# Altium PCB RX.PcbDoc (part 1 of 2)
Units mm, origin at the board's own origin, x right, y up, seen from the top; angles counter-clockwise.
Board outline 78 x 44 mm, 4 copper layers (Top Layer, Top Inner Layer, Bottom Inner Layer, Bottom Layer), stack 1.569 mm thick; 93 components, 82 nets, 366 pads, 183 vias.
Unrouted connection lines stored in the file: 59.
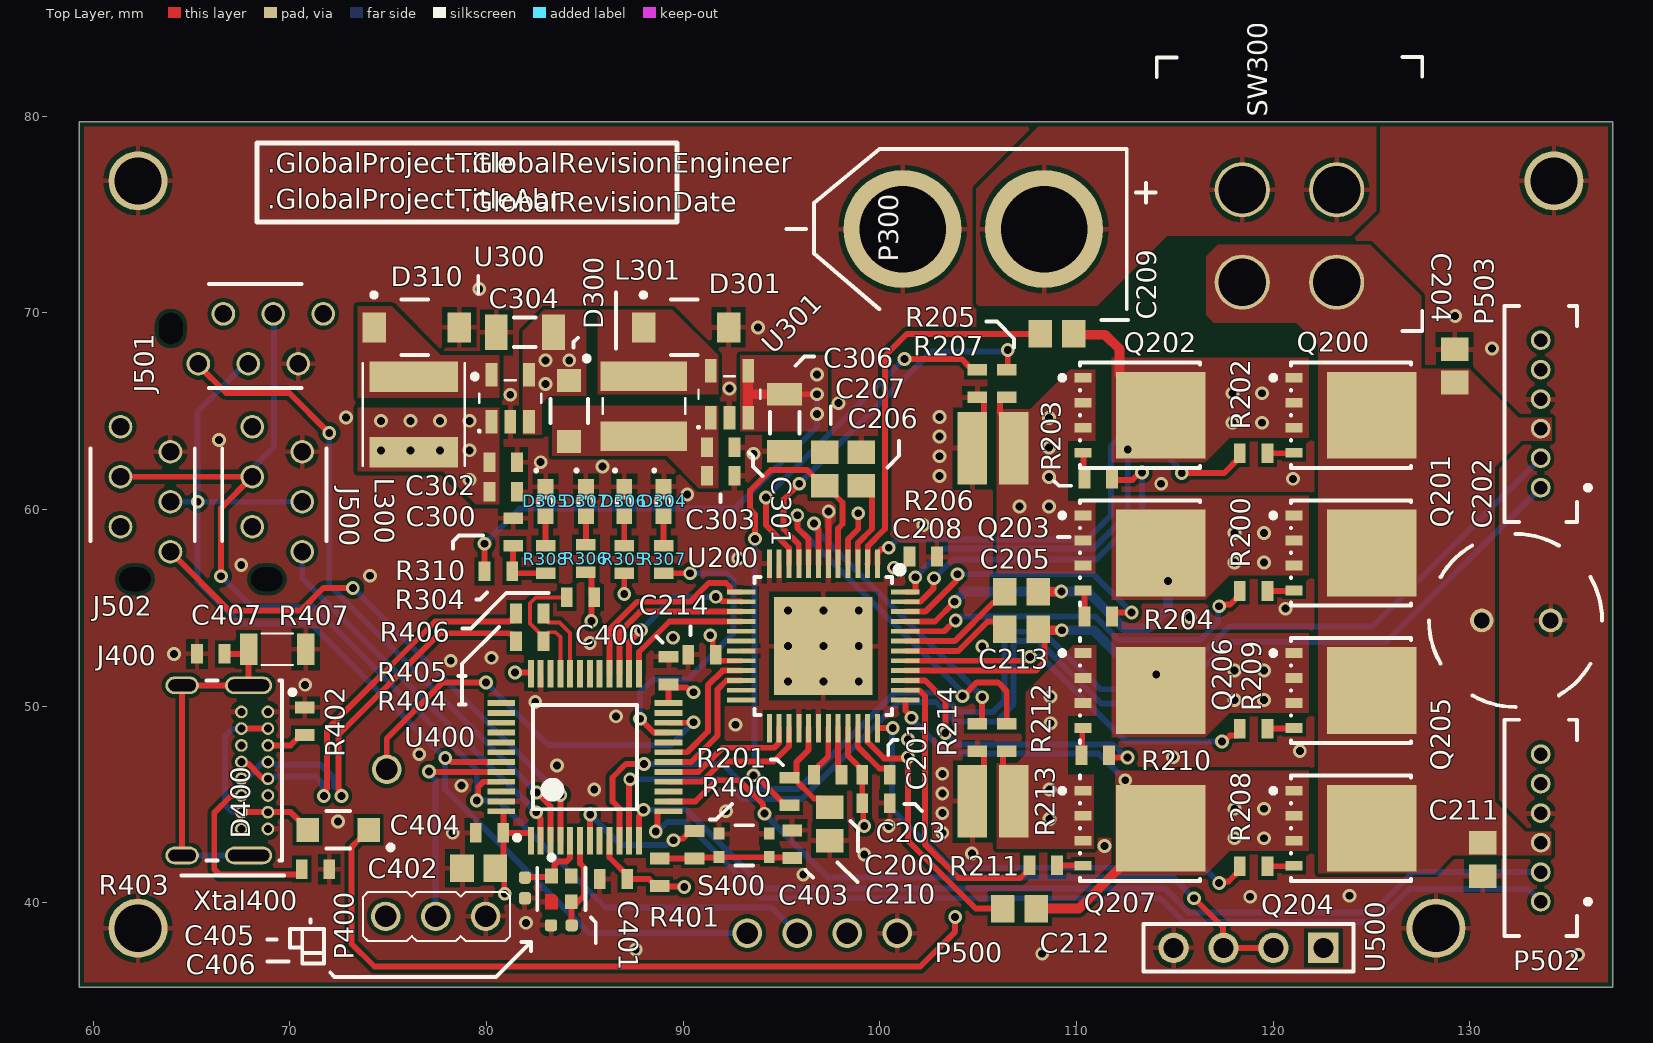
[diagram p0: Top Layer view]
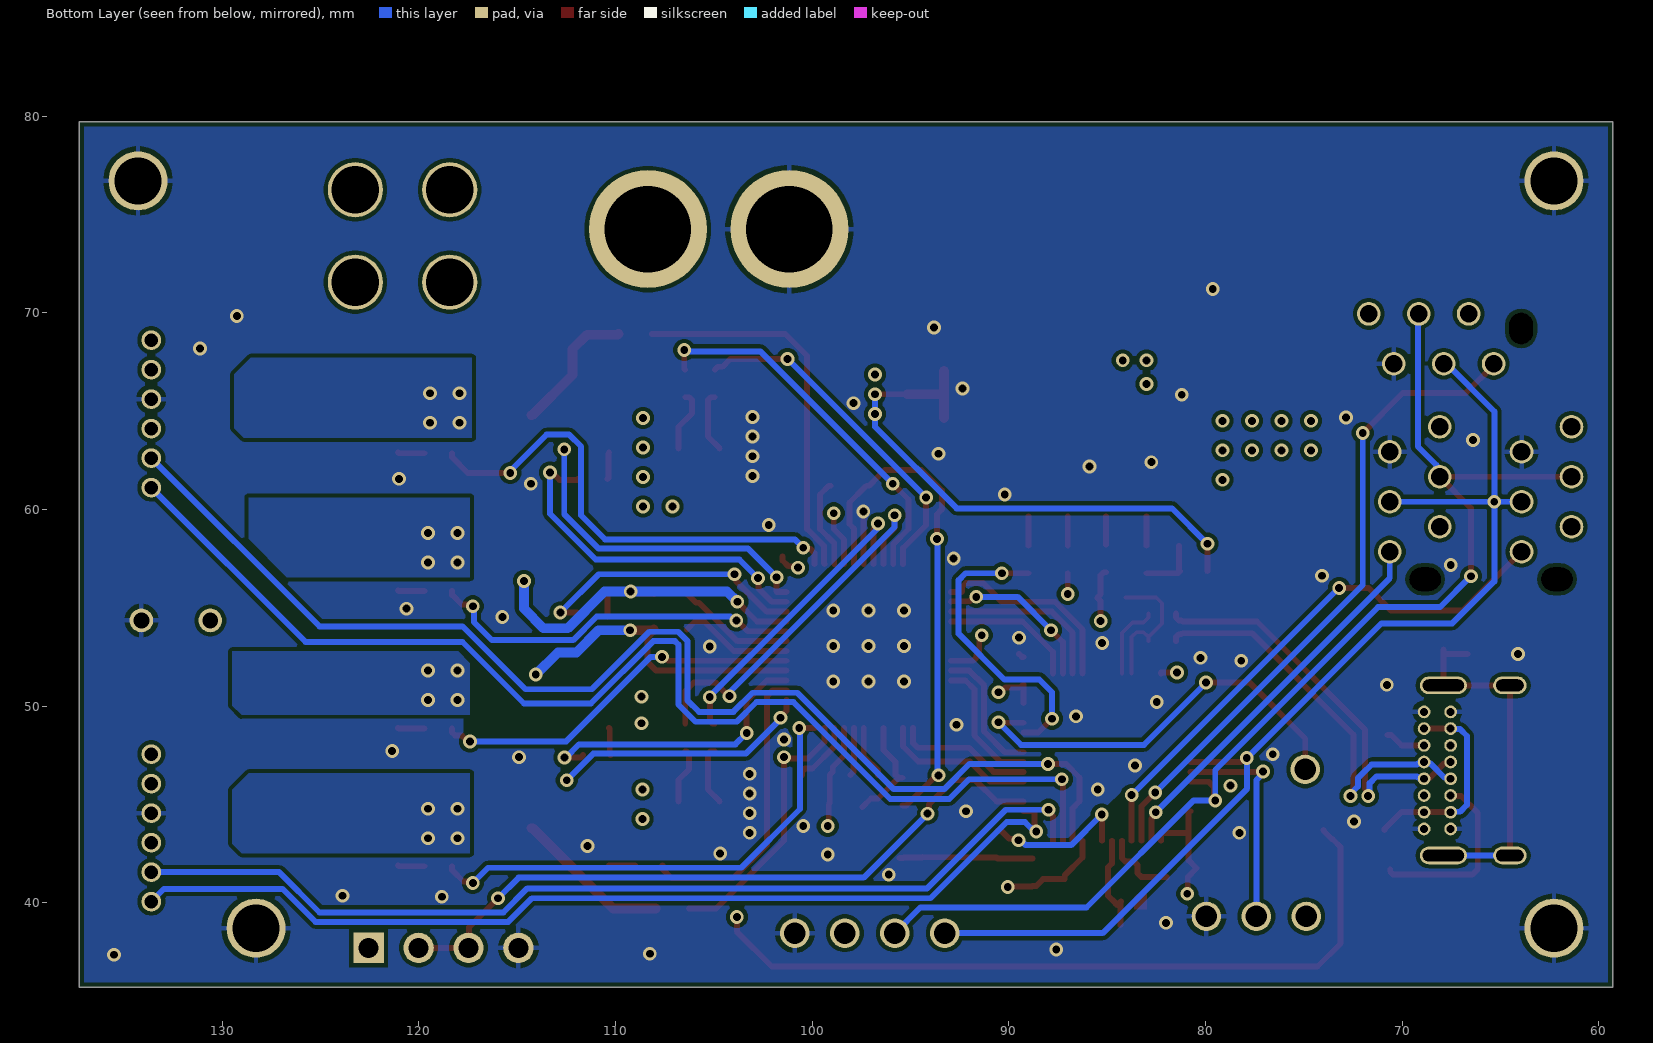
[diagram p1: Bottom Layer view, seen from below]
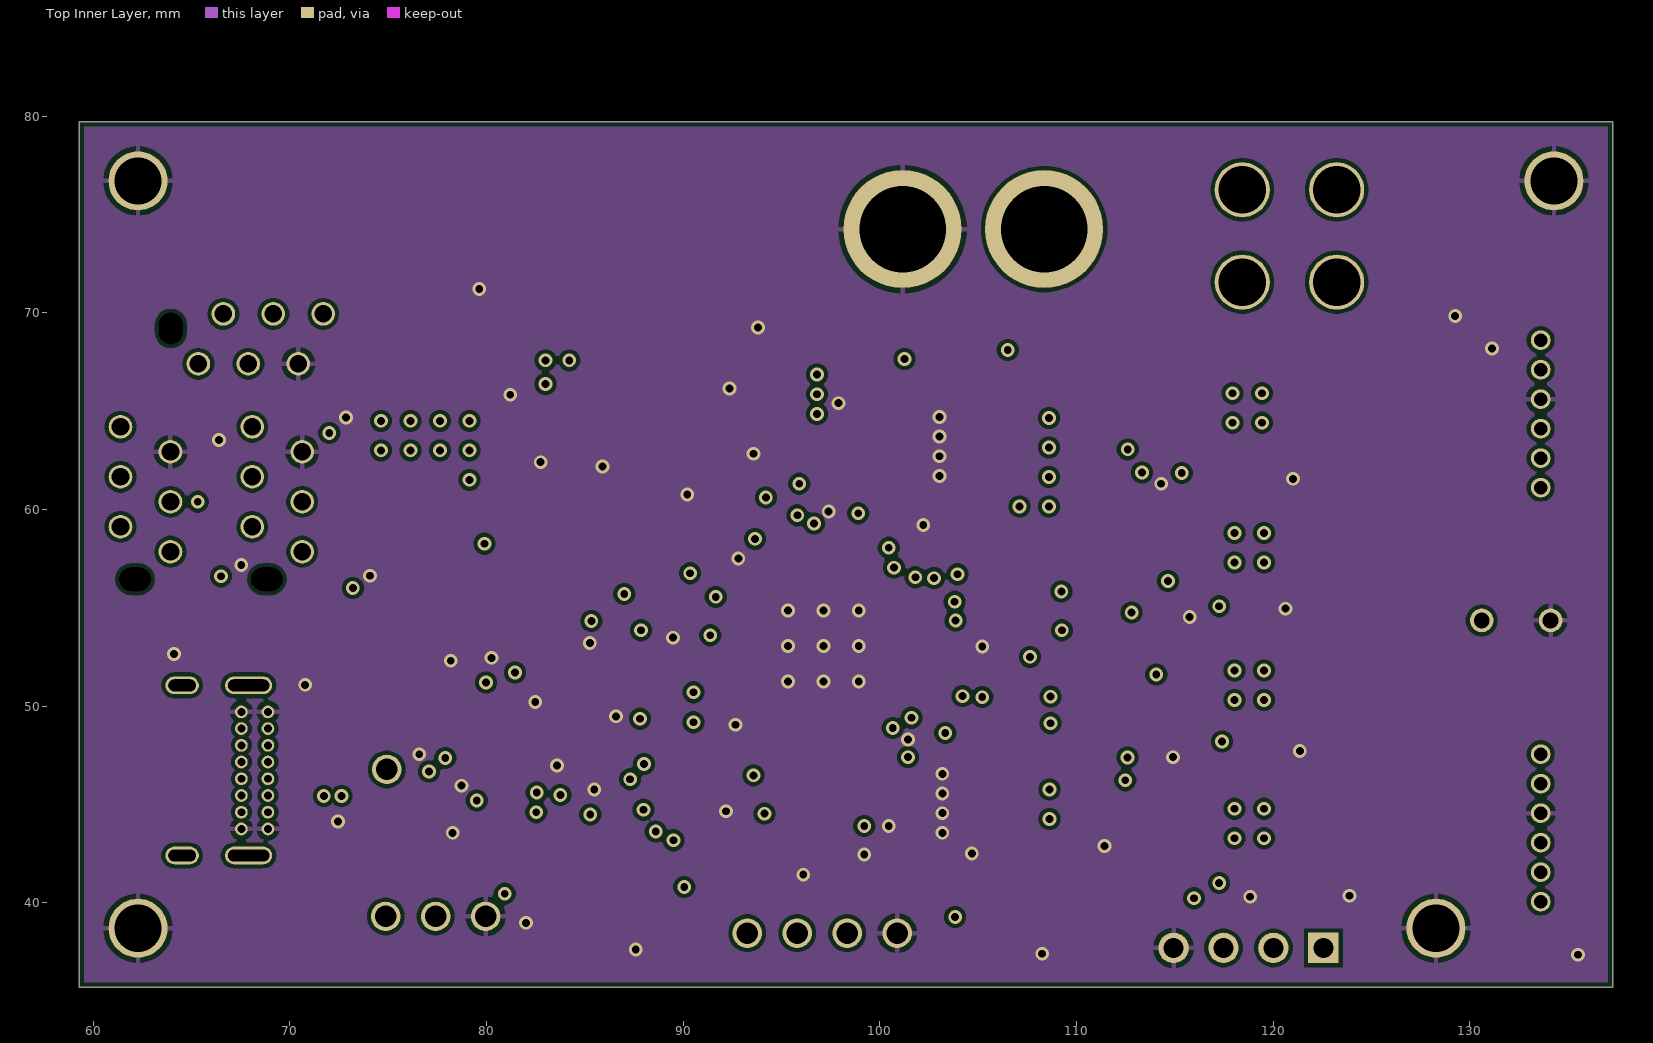
[diagram p2: Top Inner Layer]
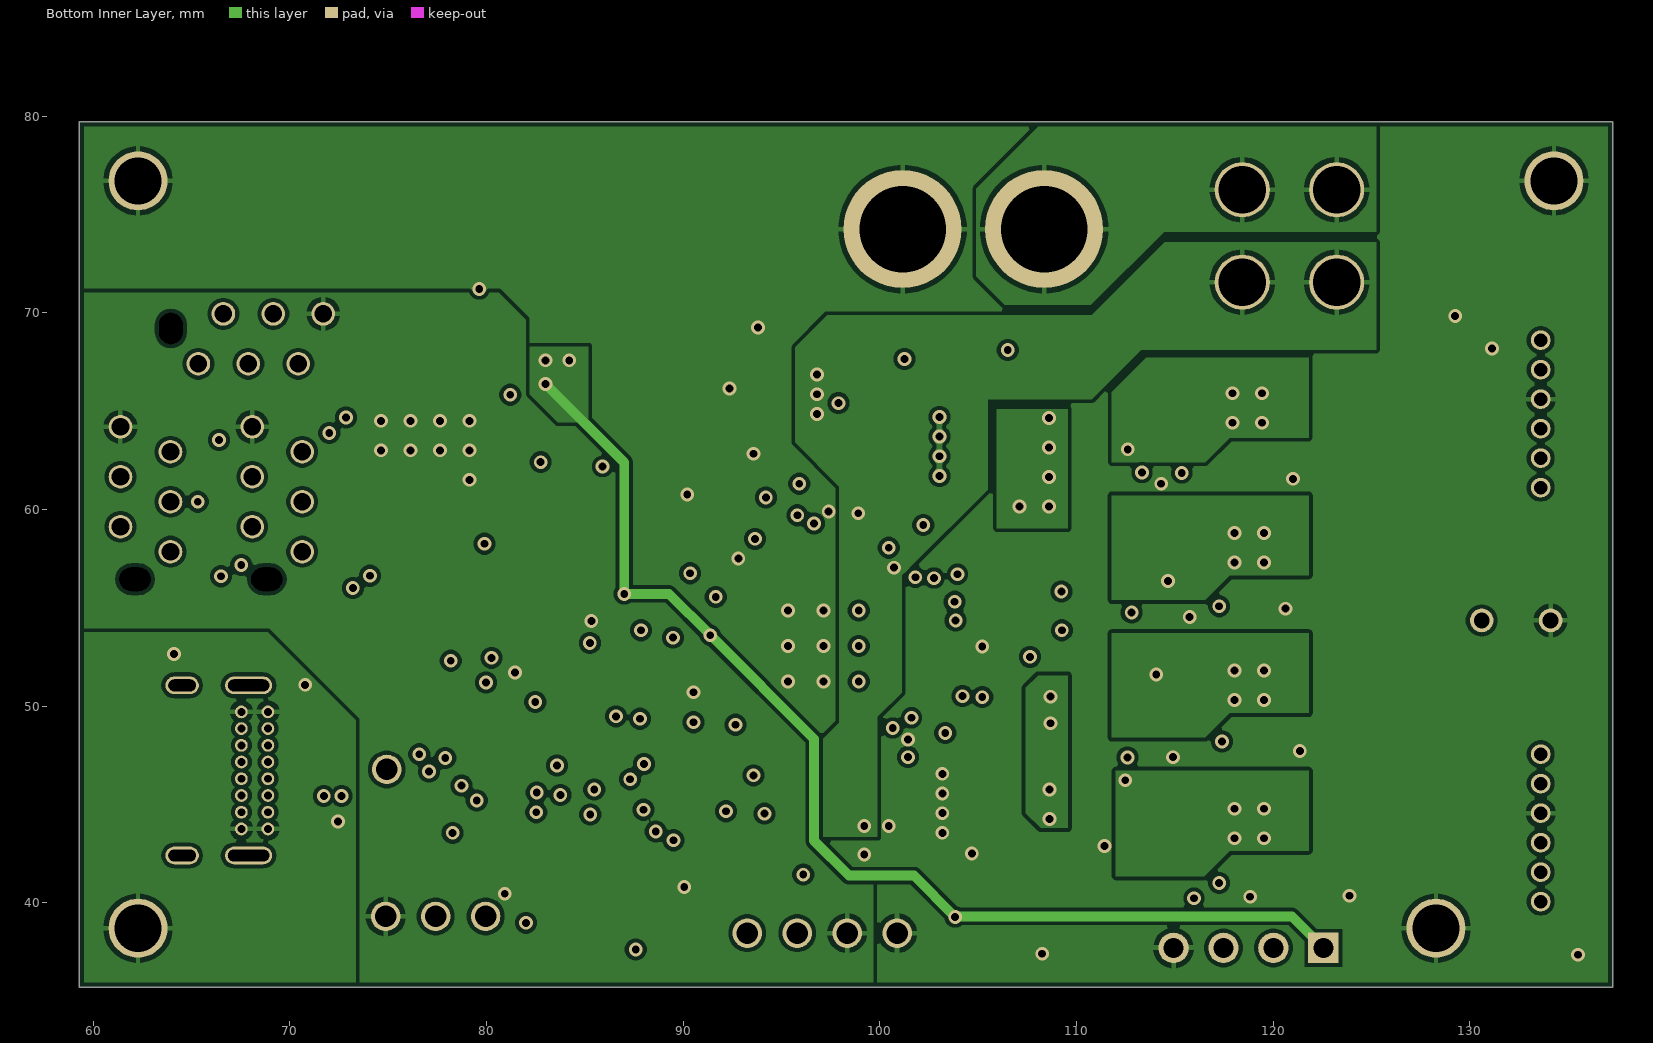
[diagram p3: Bottom Inner Layer]

## Layer stack, top to bottom
Top Solder: solder mask 0.0254, Solder Resist, Dk 3.8
Top Layer: signal copper 0.035
Dielectric 2: prepreg 0.0994, PP-006, Dk 4.1
Top Inner Layer: signal copper 0.0175
Dielectric 1: dielectric 1.265, FR-4, Dk 4.8
Bottom Inner Layer: signal copper 0.0175
Dielectric 3: prepreg 0.0994, PP-006, Dk 4.1
Bottom Layer: signal copper 0.035
Bottom Solder: solder mask 0.0254, Solder Resist, Dk 3.8

## Board outline
59.275,35.7 59.275,79.7 137.275,79.7 137.275,35.7

## Design rules (kind name [scope] priority, off if disabled: settings)
BoardOutlineClearance [All] p1: gap=0.254 ignorepadtopadclearanceinfootprint=FALSE except(0: Arc-SplitContinuation Track-SplitContinuation SMDPad-SplitContinuation THPad-SplitContinuation Via-SplitContinuation Fill-SplitContinuation Poly-SplitContinuation Region-SplitContinuation Text-SplitContinuation)
Clearance [All] p1: gap=0.2 ignorepadtopadclearanceinfootprint=TRUE except(0.1: Arc-SMDPad Track-SMDPad; 0.15: SMDPad-SMDPad; 0.16: Arc-Arc Arc-Track Track-Track; 0.3: Arc-THPad Track-THPad SMDPad-THPad THPad-THPad THPad-Via)
DiffPairsRouting [All] p1: maxlimit=0.4 minlimit=0.127 mostfreqgap=0.3 toplayer_mingap=0.2 toplayer_minwidth=0.2 toplayer_maxwidth=0.3 toplayer_prefwidth=0.25 midlayer1_maxgap=0.127 midlayer1_prefgap=0.127 midlayer1_minwidth=0.095 midlayer1_maxwidth=0.095 midlayer1_prefwidth=0.095 midlayer2_maxgap=0.127 midlayer2_prefgap=0.127 midlayer2_minwidth=0.095 midlayer2_maxwidth=0.095 midlayer2_prefwidth=0.095 bottomlayer_mingap=0.2 bottomlayer_minwidth=0.2 bottomlayer_maxwidth=0.3 bottomlayer_prefwidth=0.25 maxuncoupledlength=12.7
Height [All] p1: minheight=0 maxheight=30 prefheight=12.7
PlaneConnect [All] p1: pad.planeconnectstyle=Relief pad.reliefexpansion=0.508 pad.reliefentries=4 pad.reliefconductorwidth=0.254 pad.reliefairgap=0.254 via.planeconnectstyle=Direct via.reliefexpansion=0.508 via.reliefentries=4 via.reliefconductorwidth=0.254 via.reliefairgap=0.254
PolygonConnect MainPwr [All vs IsNamedPolygon('Main')] p1: connectstyle=Direct reliefconductorwidth=0.254 reliefentries=4 polygonreliefangle="90 Angle" airgapwidth=0.254
PolygonConnect [All] p2: thpad.connectstyle=Relief thpad.reliefconductorwidth=0.254 thpad.reliefentries=4 thpad.polygonreliefangle="90 Angle" thpad.airgapwidth=0.254 smdpad.connectstyle=Relief smdpad.reliefconductorwidth=0.254 smdpad.reliefentries=4 smdpad.polygonreliefangle="90 Angle" smdpad.airgapwidth=0.254 via.connectstyle=Direct via.reliefconductorwidth=0.254 via.reliefentries=4 via.polygonreliefangle="90 Angle" via.airgapwidth=0.254
RoutingVias [All] p1: holewidth=0.4 width=0.7 viastyle="Through Hole" minholewidth=0.3 minwidth=0.6 maxholewidth=1 maxwidth=1.5
SolderMaskExpansion [All] p1: expansion=0.102 istentingtop=FALSE
SupplyNets "Schematic Supply Nets_3" [InNet('+3V3')] p1: voltage=0.000
SupplyNets "Schematic Supply Nets_2" [InNet('+5V')] p2: voltage=0.000
SupplyNets "Schematic Supply Nets_1" [InNet('+12V')] p3: voltage=0.000
SupplyNets "Schematic Supply Nets" [InNet('GND')] p4: voltage=0.000
Width [All] p1: maxlimit=2 minlimit=0.16 preferedwidth=0.3
27 further rules are at their usual default settings.

## Classes and differential pairs
component class Power: C300 C301 C302 C303 C304 C306 D300 D301 D304 D305 D306 D307 D310 L300 L301 P300 R304 R305 R306 R307 R308 R310 SW300 U300 U301
component class "MCU and USB-C": C400 C401 C402 C403 C404 C405 C406 C407 D400 J400 P400 R400 R401 R402 R403 R404 R405 R406 R407 S400 U400 Xtal400
component class "Headers and Connectors": J500 J501 J502 P500 P502 P503 U500
component class "Motor driver": C200 C201 C202 C203 C204 C205 C206 C207 C208 C209 C210 C211 C212 C213 C214 mx Q200 Q201 Q202 Q203 Q204 Q205 Q206 Q207 R200 R201 R202 R203 R204 R205 R206 R207 R208 R209 R210 R211 R212 R213 R214 U200
differential pair USB_D: +USB_D_P -USB_D_N
differential pair D: +D_P -D_N

## Components (designator, comment, footprint, x,y, rotation, side; value= is the part's Value field where it differs from the comment)
C200 "22n" MLCC_0603_M 97.343,46.5 r180 top value=22nF
C201 "100n" MLCC_0603_M 99.8,46.5 r0 top value=100nF
C202 "EEU-FS1H221L" "8mm Cap" 132.35,54.35 r180 top value=220µF
C203 "100n" MLCC_0603_M 99.8,45.05 r180 top value=100nF
C204 "470n" MLCC_0805_M 129.225,67.3 r270 top value=470nF
C205 "470n" MLCC_0805_M 107.2,55.8 r0 top value=470nF
C206 "2.2u" MLCC_0805_M 99.05,62.05 r270 top value=2,2µF
C207 "2.2u" MLCC_0805_M 97.2,62.05 r270 top value=2,2µF
C208 "100n" MLCC_0603_M 102.2,57.6 r180 top value=100nF
C209 "470n" MLCC_0805_M 109,68.925 r0 top value=470nF
C210 "470n" MLCC_0805_M 97.45,44 r90 top value=470nF
C211 "470n" MLCC_0805_M 130.65,42.2 r270 top value=470nF
C212 "470n" MLCC_0805_M 107.1,39.7 r0 top value=470nF
C213 "470n" MLCC_0805_M 107.2,53.9 r0 top value=470nF
C214 "100n" MLCC_0603_M 90.95,52.6 r0 top value=100nF
C300 "22u" MLCC_0603_M 80.85,60.9 r180 top value=22µF
C301 "22u" MLCC_0603_M 91.9,63.15 r180 top value=22µF
C302 "22u" MLCC_0603_M 80.85,62.4 r180 top value=22µF
C303 "22u" MLCC_0603_M 91.9,61.7 r180 top value=22µF
C304 "4.7u" MLCC_1206_M 81.95,69 r0 top value=4,7µF
C306 "4.7u" MLCC_1206_M 95.15,64.4 r90 top value=4,7µF
C400 "100n" MLCC_0603_M 89.25,51.8 r90 top value=100nF
C401 "100n" MLCC_0603_M 86.45,41.2 r180 top value=100nF
C402 "4.7u" MLCC_0805_M 79.6,41.75 r0 top value=4.7µF
C403 "100n" MLCC_0603_M 95.55,42.975 r270 top value=100nF
C404 "100n" MLCC_0603_M 80.15,43.55 r180 top value=100nF
C405 "15p" MLCC_0402_M 81.95,40.75 r90 top value=15pF
C406 "15p" MLCC_0402_M 83.8,38.85 r0 top value=15pF
C407 "1n" MLCC_0603_M 65.975,52.65 r0 top value=1nF
D300 "MBR1020VL_R1_00001" FP-MBR1020VL_R1_00001-MFG 84.2,65 r270 top
D301 "VSSAF3M10HM3/H" VSSAF3M10HM3_H-Footprint-1 90.15,69.25 r0 top
D304 "Red" "0603 RED LED" 89,60.4 r90 top
D305 "Red" "0603 RED LED" 83,60.4 r90 top
D306 "Red" "0603 RED LED" 87,60.4 r90 top
D307 "Red" "0603 RED LED" 85.05,60.4 r90 top
D310 "VSSAF3M10HM3/H" VSSAF3M10HM3_H-Footprint-1 76.45,69.25 r0 top
D400 "MBR1020VL_R1_00001" FP-MBR1020VL_R1_00001-MFG 72.45,43.7 r180 top
J400 "USB4085-GF-A" FP-USB4085-GF-A-MFG 64.855,46.725 r270 top
J500 "7-215079-6" 7-215079-6-Footprint-1 68.085,64.195 r270 top
J501 "7-215079-6" 7-215079-6-Footprint-1 71.695,69.94 r180 top
J502 "7-215079-6" 7-215079-6-Footprint-1 61.385,64.195 r270 top
L300 "74404054330" WE-LQS_5040 76.3,64.825 r90 top value=33µH
L301 "74404043220A" WE-LQS_4025 88,65.25 r270 top value=22µH
P300 "XT60 Male" "XT60 male TH" 104.75,74.25 r180 top
P400 "M20-9990345" "3Pos Pin Header" 77.39,39.3 r180 top
P500 "PH1-04-UA" "4Pos Pin Header Vertical" 97.065,38.45 r180 top
P502 "B6B-ZR(LF)(SN)" FP-B6B-ZR-SM4-TF_LF_SN-MFG 133.6,43.8 r90 top
P503 "B6B-ZR(LF)(SN)" FP-B6B-ZR-SM4-TF_LF_SN-MFG 133.6,64.85 r90 top
Q200 "BSC027N06LS5ATMA1" FP-PG-TDSON-8-MFG 123.95,64.785 r270 top
Q201 "BSC027N06LS5ATMA1" FP-PG-TDSON-8-MFG 123.95,57.785 r270 top
Q202 "BSC027N06LS5ATMA1" FP-PG-TDSON-8-MFG 113.221,64.785 r270 top
Q203 "BSC027N06LS5ATMA1" FP-PG-TDSON-8-MFG 113.221,57.785 r270 top
Q204 "BSC027N06LS5ATMA1" FP-PG-TDSON-8-MFG 123.95,43.785 r270 top
Q205 "BSC027N06LS5ATMA1" FP-PG-TDSON-8-MFG 123.95,50.785 r270 top
Q206 "BSC027N06LS5ATMA1" FP-PG-TDSON-8-MFG 113.221,50.785 r270 top
Q207 "BSC027N06LS5ATMA1" FP-PG-TDSON-8-MFG 113.221,43.785 r270 top
R200 "7.5R" Resistor_0603_M 119,55.85 r0 top value=7,5
R201 "2.2R" Resistor_0603_M 95.4,45.65 r270 top value=2,2
R202 "7.5R" Resistor_0603_M 119,62.85 r0 top value=7,5
R203 "7.5R" Resistor_0603_M 111.1,61.55 r180 top value=7,5
R204 "7.5R" Resistor_0603_M 111.1,54.55 r180 top value=7,5
R205 "47R" Resistor_0603_M 106.45,66.4 r90 top value=47
R206 "PE0612FKM7W0R05L" PE0612FKM7W0R05L-Footprint-1 105.75,63.1 r0 top value=50m
R207 "47R" Resistor_0603_M 104.95,66.4 r90 top value=47
R208 "7.5R" Resistor_0603_M 119,41.85 r0 top value=7,5
R209 "7.5R" Resistor_0603_M 119,48.85 r0 top value=7,5
R210 "7.5R" Resistor_0603_M 110.95,47.5 r180 top value=7,5
R211 "7.5R" Resistor_0603_M 108.3,41.9 r0 top value=7,5
R212 "47R" Resistor_0603_M 106.45,48.4 r90 top value=47
R213 "PE0612FKM7W0R05L" PE0612FKM7W0R05L-Footprint-1 105.75,45.15 r0 top value=50m
R214 "47R" Resistor_0603_M 104.95,48.4 r90 top value=47
R304 "3k" Resistor_0603_M 80.6,56.85 r180 top
R305 "200R" Resistor_0603_M 87,57.45 r90 top value=200
R306 "200R" Resistor_0603_M 85.05,57.5 r90 top value=200
R307 "200R" Resistor_0603_M 89,57.45 r90 top value=200
R308 "200R" Resistor_0603_M 83,57.45 r90 top value=200
R310 "1k" Resistor_0603_M 81.35,58.85 r270 top
R400 "100R" Resistor_0603_M 90.575,42.95 r90 top value=100
R401 "10k" Resistor_0603_M 88.8,41.55 r270 top
R402 "5.1k" Resistor_0603_M 70.75,49.225 r90 top value=5,1k
R403 "5.1k" Resistor_0603_M 71.3,41.7 r180 top value=5,1k
R404 "22R" Resistor_0603_M 82.2,53.3 r0 top value=22
R405 "22R" Resistor_0603_M 82.2,54.7 r0 top value=22
R406 "1.5k" Resistor_0603_M 84.775,55.525 r0 top value=1,5k
R407 "1M" Resistor_1206_M 69.35,52.875 r0 top
S400 "USLPT2819DT4TR" USLPT2819DT4TR-Footprint-1 93.1,42.915 r0 top
SW300 "SW-T2-3A-A-A2-M2" SW-T2-3A-A-A2-M2 120.825,74.75 r90 top
U200 "TMC5160A-TA-T" TQFP80P900X900X120-32N 97.125,53.05 r270 top
U300 "RAA2118034GP3#JA0" P5_064B_MFG 81.2,65.65 r90 top
U301 "RAA2118054GP3#JA0" P5_064B_MFG 92.35,65.85 r90 top
U400 "STM32F103C8T6" STM-LQFP48_M 85,47.4 r90 top
U500 "XY-MK-5V RF" "2.54mm 4 POS XY-MK-5V RF" 122.55,37.7 r180 top
Xtal400 "ABM11-16.000MHZ-12-N1G-T" FP-ABM11-MFG 83.8,40.7 r270 top
